# Altium PCB PCB_v1.PcbDoc (part 3 of 8) (continued)
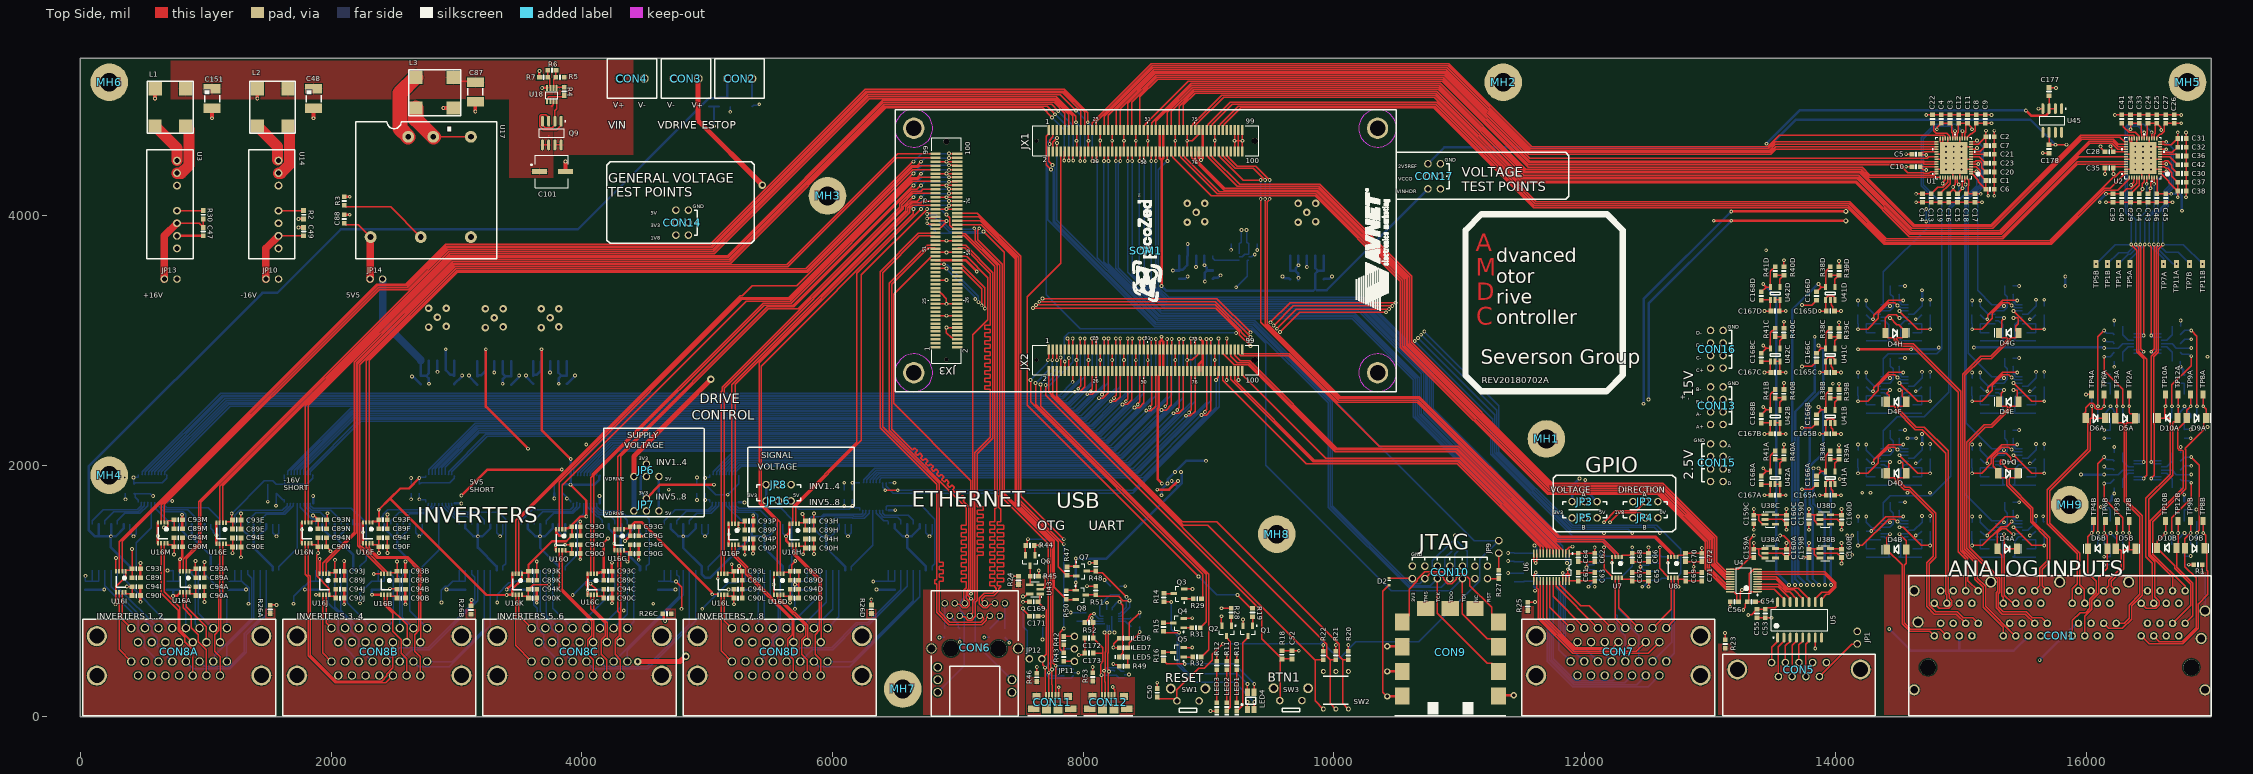
[diagram p0: Top Side view]
## Nets (pads, with @x,y where several pads share a name; then routed paths per layer and width w, separated by ;. In a path a pad name is that pad's centre, name@x,y a point inside that pad or via, vN(x,y) a via of type N, cw(c..) or ccw(c..) an arc to the next point about the centre after c; other vN are vias at no path point) (continued)
ADC1_IN1: U1.17 U3H.6 U3H.7 | length 2138.3
  Top Side w10: U1.17@15013.9,4612.04 v1(15013.9,4670)
  Bottom Side w10: U3H.6@14363.92,3261.18 14364.26,3261.53 14423.16,3261.53 v1(14436.63,3275) 14430.1,3281.53 14424.86,3286.77 U3H.7@14363.92,3286.77 ; U3H.7@14363.92,3287.12 14383.46,3287.12 14384.37,3288.03 14384.37,3546.7 14750,3912.33 14750,4171.01 14685,4236.01 14685,4616.57 14793.43,4725 14958.9,4725 v1(15013.9,4670)
ADC1_IN2: U1.20 U3F.6 U3F.7 | length 2927.1
  Top Side w10: U1.20@14954.84,4612.04 14954.92,4612.11 14954.92,4669.92 v1(14955,4670)
  Bottom Side w10: U3F.6@14363.92,2686.18 14364.26,2686.53 14423.16,2686.53 v1(14436.63,2700) 14430.1,2706.53 14424.86,2711.77 U3F.7@14363.92,2711.77 ; U3F.7@14363.92,2712.12 14383.46,2712.12 14384.37,2713.03 14384.37,2856.21 14423.58,2895.43 14810.94,2895.43 14850.16,2934.64 14850.16,4092.06 14700,4242.22 14700,4610.36 14799.64,4710 14915,4710 v1(14955,4670)
ADC1_IN3: U1.5 U3C.6 U3C.7 | length 2643.9
  Top Side w10: U1.5@15081,4407.32 v1(15140,4407.32)
  Bottom Side w10: v1(15140,4407.32) 15140,4401.91 15151.43,4390.48 15151.43,4239.21 15046,4133.78 15046,2338.46 15247.34,2137.12 U3C.7@15273.92,2137.12 ; U3C.6@15273.92,2111.18 15274.26,2111.53 15333.16,2111.53 v1(15346.63,2125) 15340.1,2131.53 15334.51,2137.12 15274.26,2137.12 U3C.7@15273.92,2136.77
ADC1_IN4: U1.2 U3A.6 U3A.7 | length 3143.6
  Top Side w10: U1.2@15081,4348.27 v1(15126.43,4348.27)
  Bottom Side w10: v1(15126.43,4348.27) 15126.43,4235.43 15031,4140 15031,1778.46 15247.34,1562.12 U3A.7@15273.92,1562.12 ; U3A.6@15273.92,1536.18 15274.26,1536.53 15333.16,1536.53 v1(15346.63,1550) 15340.1,1556.53 15334.51,1562.12 15274.26,1562.12 U3A.7@15273.92,1561.77
ADC1_IN5: U1.51 U3B.6 U3B.7 | length 3380.8
  Top Side w10: U1.51@15033.58,4301.04 15033.58,4256.83 15040,4250.41 v1(15040,4245)
  Bottom Side w10: U3B.6@14363.92,1536.18 14364.26,1536.53 14423.16,1536.53 v1(14436.63,1550) 14430.1,1556.53 14424.86,1561.77 U3B.7@14363.92,1561.77 ; U3B.7@14363.92,1562.12 14383.46,1562.12 14384.37,1563.03 14384.37,1706.21 14438.16,1760 14765.36,1760 14921,1915.64 14921,4055.45 15040,4174.45 v1(15040,4245)
ADC1_IN6: U1.48 U3D.6 U3D.7 | length 2719.8
  Top Side w10: U1.48@14974.53,4301.04 14974.53,4260.88 14985,4250.41 v1(14985,4245)
  Bottom Side w10: U3D.6@14363.92,2111.18 14364.26,2111.53 14423.16,2111.53 v1(14436.63,2125) 14430.1,2131.53 14424.86,2136.77 U3D.7@14363.92,2136.77 ; U3D.7@14363.92,2137.12 14383.46,2137.12 14384.37,2138.03 14384.37,2281.21 14494.46,2391.3 14711.01,2391.3 14906,2586.29 14906,4061.66 14985,4140.66 v1(14985,4245)
ADC1_IN7: U1.14 U3G.6 U3G.7 | length 1631.2
  Top Side w10: U1.14@15081,4584.49 15114.08,4584.49 15124.59,4595 v1(15130,4595)
  Bottom Side w10: v1(15130,4595) 15181.43,4543.57 15181.43,4226.79 15135,4180.36 15135,3399.46 15247.34,3287.12 U3G.7@15273.92,3287.12 ; U3G.6@15273.92,3261.18 15274.26,3261.53 15333.16,3261.53 v1(15346.63,3275) 15340.1,3281.53 15334.51,3287.12 15274.26,3287.12 U3G.7@15273.92,3286.77
ADC1_IN8: U1.11 U3E.6 U3E.7 | length 2194.7
  Top Side w10: U1.11@15081,4525.43 15115.02,4525.43 15124.59,4535 v1(15130,4535)
  Bottom Side w10: v1(15130,4535) 15166.43,4498.57 15166.43,4233 15061,4127.57 15061,2898.46 15247.34,2712.12 U3E.7@15273.92,2712.12 ; U3E.6@15273.92,2686.18 15274.26,2686.53 15333.16,2686.53 v1(15346.63,2700) 15340.1,2706.53 15334.51,2712.12 15274.26,2712.12 U3E.7@15273.92,2711.77
ADC1_SCK: SOM1.JX1-53 U1.41 | length 6791.2
  Top Side w10: SOM1.JX1-53@8545.55,4680 8545.55,4737.52 8860.03,5052 10846.96,5052 11531.71,4367.25 14207.33,4367.25 14270.58,4304 14835.73,4304 14836.73,4303 U1.41@14836.73,4301.04
ADC1_SDO1: SOM1.JX1-25 U1.27 | length 7251.2
  Top Side w10: SOM1.JX1-25@8104.61,4680 8104.61,4746.14 8549.47,5191 10910.19,5191 11571.19,4530 13466.57,4530 13521.06,4584.49 U1.27@14809,4584.49
ADC1_SDO2: SOM1.JX1-29 U1.28 | length 7204.5
  Top Side w10: SOM1.JX1-29@8167.6,4680 8167.6,4787.92 8555.68,5176 10903.98,5176 11564.98,4515 13472.78,4515 13522.58,4564.8 U1.28@14809,4564.8
ADC1_SDO3: SOM1.JX1-31 U1.29 | length 7170.9
  Top Side w10: SOM1.JX1-31@8199.09,4680 8199.09,4798.2 8561.89,5161 10897.76,5161 11558.76,4500 13478.99,4500 13524.11,4545.12 U1.29@14809,4545.12
ADC1_SDO4: SOM1.JX1-35 U1.30 | length 7124.2
  Top Side w10: SOM1.JX1-35@8262.09,4680 8262.09,4839.98 8568.1,5146 10891.55,5146 11552.55,4485 13485.21,4485 13525.64,4525.43 U1.30@14809,4525.43
ADC1_SDO5: SOM1.JX1-41 U1.35 | length 7042.6
  Top Side w10: SOM1.JX1-41@8356.57,4680 8356.57,4892.04 8580.53,5116 10879.12,5116 11563.88,4431.25 14706.51,4431.25 14710.75,4427.01 U1.35@14809,4427.01
ADC1_SDO6: SOM1.JX1-43 U1.36 | length 7012.9
  Top Side w10: SOM1.JX1-43@8388.07,4680 8388.07,4902.33 8586.74,5101 10872.91,5101 11557.66,4416.25 14700.3,4416.25 14709.22,4407.32 U1.36@14809,4407.32
ADC1_SDO7: SOM1.JX1-47 U1.39 | length 6997.4
  Top Side w10: SOM1.JX1-47@8451.06,4680 8451.06,4944.11 8592.96,5086 10866.7,5086 11551.45,4401.25 14514.93,4401.25 14578.18,4338 14704.17,4338 14707.17,4335 14746.45,4335 14759.72,4348.27 U1.39@14809,4348.27
ADC1_SDO8: SOM1.JX1-49 U1.40 | length 6818.8
  Top Side w10: SOM1.JX1-49@8482.56,4680 8482.56,4710 8494.06,4721.5 8494.06,4724.14 8836.91,5067 10864.48,5067 11549.24,4382.25 14213.55,4382.25 14275.79,4320 14790.42,4320 14799,4328.58 U1.40@14809,4328.58
ADC2_CLKOUT: SOM1.JX1-73 U2.33 | length 8309
  Top Side w10: SOM1.JX1-73@8860.51,4680 8860.51,4710 8872.01,4721.5 8872.01,4724.14 9104.87,4957 10809.02,4957 11493.77,4272.25 14167.98,4272.25 14593.62,3846.61 15323.62,3846.61 15943.39,4466.38 U2.33@16319,4466.38
ADC2_CNV: SOM1.JX1-55 U2.24 | length 8773
  Top Side w10: SOM1.JX1-55@8577.05,4680 8577.05,4747.8 8866.24,5037 10840.74,5037 11525.5,4352.25 14201.12,4352.25 14628.37,3925 15243.18,3925 15956.22,4638.04 16376.56,4638.04 16385.1,4629.49 16385.1,4613.04 U2.24@16386.1,4612.04
ADC2_IN1: TP1B.1 U2.20 U46B.1 U46B.2 | length 3540
  Top Side w10: v1(16397,3765) 16420,3742 16420,2914.64 16485,2849.64 16485,1925 v1(16460,1900) ; U2.20@16464.84,4612.04 16464.92,4612.11 16464.92,4660.43 v1(16465,4660.51)
  Bottom Side w10: v1(16170,3610.77) 16260.92,3701.69 16333.69,3701.69 v1(16397,3765) 16397,3962.64 16330,4029.64 16330,4695.36 16344.64,4710 16415.51,4710 v1(16465,4660.51) ; U46B.1@16380.75,1888.74 16447.01,1888.74 16452.6,1894.33 16454.33,1894.33 v1(16460,1900) 16445.67,1914.33 U46B.2@16380.75,1914.33
ADC2_IN2: TP5A.1 U2.51 U46A.6 U46A.7 | length 1668.3
  Top Side w10: v1(16460,3040) 16460,3750.59 16469,3759.59 v1(16469,3765) ; v1(16543.58,4250) U2.51@16543.58,4301.04
  Bottom Side w10: v1(16350,3610.77) 16350.18,3610.95 16350.18,3646.18 v1(16469,3765) 16469,3970.09 16543.58,4044.67 v1(16543.58,4250) ; U46A.6@16380.75,3026.69 16446.69,3026.69 v1(16460,3040) 16447.72,3052.28 U46A.7@16380.75,3052.28
ADC2_IN3: TP7A.1 U2.2 U46A.8 U46A.9 | length 1789.9
  Top Side w10: v1(16505,3765) 16505,3759.59 16520,3744.59 v1(16520,3040) ; U2.2@16591,4348.27 v1(16640,4348.27)
  Bottom Side w10: U46A.9@16599.25,3026.69 16533.31,3026.69 v1(16520,3040) 16532.28,3052.28 U46A.8@16599.25,3052.28 ; v1(16618.94,3610.77) 16618.94,3651.06 v1(16505,3765) 16505,3984.87 16572.5,4052.37 16572.5,4280.77 v1(16640,4348.27)
ADC2_IN4: TP11A.1 U2.5 U46A.13 U46A.14 | length 2034.7
  Top Side w10: v1(16520,2910) 16545,2935 16545,3755.59 16541,3759.59 v1(16541,3765) ; U2.5@16591,4407.32 v1(16640,4407.32)
  Bottom Side w10: U46A.14@16599.25,2898.74 16532.99,2898.74 16527.4,2904.33 16525.67,2904.33 v1(16520,2910) 16534.33,2924.33 U46A.13@16599.25,2924.33 ; v1(16640,4407.32) 16665,4382.32 16665,4232.78 16625,4192.78 16625,4083.66 16541,3999.66 v1(16541,3765) 16692.62,3613.38 16720.02,3613.38 v1(16722.62,3610.77)
ADC2_IN5: TP5B.1 U2.17 U46B.6 U46B.7 | length 3539.4
  Top Side w10: v1(16361,3765) 16405,3721 16405,2908.43 16460,2853.43 v1(16460,2030) ; U2.17@16523.9,4612.04 v1(16523.9,4660.51)
  Bottom Side w10: v1(16080,3610.77) 16234.23,3765 v1(16361,3765) 16361,3977.43 16315,4023.43 16315,4701.57 16338.43,4725 16459.41,4725 v1(16523.9,4660.51) ; U46B.6@16380.75,2016.69 16446.69,2016.69 v1(16460,2030) 16447.72,2042.28 U46B.7@16380.75,2042.28
ADC2_IN6: TP1A.1 U2.48 U46A.1 U46A.2 | length 1829.6
  Top Side w10: v1(16433,3765) 16435,3763 16435,2935 v1(16460,2910) ; v1(16484.53,4250) U2.48@16484.53,4301.04
  Bottom Side w10: v1(16260,3610.77) 16335.92,3686.69 16354.69,3686.69 v1(16433,3765) 16433,3981.74 16484.53,4033.26 v1(16484.53,4250) ; U46A.1@16380.75,2898.74 16447.01,2898.74 16452.6,2904.33 16454.33,2904.33 v1(16460,2910) 16445.67,2924.33 U46A.2@16380.75,2924.33
ADC2_IN7: TP7B.1 U2.11 U46B.8 U46B.9 | length 3109.6
  Top Side w10: v1(16520,2030) 16520,2874.64 16560,2914.64 16560,3742.59 16577,3759.59 v1(16577,3765) ; U2.11@16591,4525.43 v1(16640,4525.43)
  Bottom Side w10: U46B.9@16599.25,2016.69 16533.31,2016.69 v1(16520,2030) 16532.28,2042.28 U46B.8@16599.25,2042.28 ; v1(16640,4525.43) 16680,4485.43 16680,4226.57 16640,4186.57 16640,4077.45 16577,4014.45 v1(16577,3765) 16639.86,3702.14 16734.95,3702.14 v1(16826.31,3610.77)
ADC2_IN8: TP11B.1 U2.14 U46B.13 U46B.14 | length 3384.2
  Top Side w10: v1(16520,1900) 16545,1925 16545,2330.53 16539.29,2336.24 16539.29,2869.89 16575,2905.6 16575,3727 v1(16613,3765) ; U2.14@16591,4584.49 16591.26,4584.74 16639.74,4584.74 v1(16640,4585)
  Bottom Side w10: U46B.14@16599.25,1888.74 16532.99,1888.74 16527.4,1894.33 16525.67,1894.33 v1(16520,1900) 16534.33,1914.33 U46B.13@16599.25,1914.33 ; v1(16640,4585) 16695,4530 16695,4220.36 16655,4180.36 16655,4071.23 16613,4029.23 v1(16613,3765) 16775.77,3765 v1(16930,3610.77)
ADC2_SCK: SOM1.JX1-89 U2.41 | length 8003.8
  Top Side w10: SOM1.JX1-89@9112.48,4680 9112.48,4710 9123.98,4721.5 9123.98,4724.14 9254.72,4854.89 10798,4854.89 11592.88,4060 14097.43,4060 14390.82,3766.61 15721.25,3766.61 16153.35,4198.7 16254.4,4198.7 16346.73,4291.04 U2.41@16346.73,4301.04
ADC2_SDO1: SOM1.JX1-61 U2.27 | length 8643.4
  Top Side w10: SOM1.JX1-61@8671.54,4680 8671.54,4821.08 8872.46,5022 10834.53,5022 11519.28,4337.25 14194.91,4337.25 14622.15,3910 15249.39,3910 15962.04,4622.64 16270.85,4622.64 16309,4584.49 U2.27@16319,4584.49
ADC2_SDO2: SOM1.JX1-63 U2.28 | length 8606.5
  Top Side w10: SOM1.JX1-63@8703.03,4680 8703.03,4827.12 8879.91,5004 10831.32,5004 11516.07,4319.25 14187.45,4319.25 14611.7,3895 15255.61,3895 15965.61,4605 16217.78,4605 16257.98,4564.8 U2.28@16319,4564.8
ADC2_SDO3: SOM1.JX1-67 U2.29 | length 8566.5
  Top Side w10: SOM1.JX1-67@8766.02,4680 8766.02,4868.9 8886.12,4989 10819.45,4989 11504.2,4304.25 14181.24,4304.25 14608.88,3876.61 15311.19,3876.61 16024.58,4590 16211.57,4590 16256.45,4545.12 U2.29@16319,4545.12
ADC2_SDO4: SOM1.JX1-69 U2.30 | length 8536.7
  Top Side w10: SOM1.JX1-69@8797.52,4680 8797.52,4879.18 8892.34,4974 10813.23,4974 11497.99,4289.25 14175.02,4289.25 14602.66,3861.61 15317.4,3861.61 16030.79,4575 16205.36,4575 16254.92,4525.43 U2.30@16319,4525.43
ADC2_SDO5: SOM1.JX1-75 U2.35 | length 8263.7
  Top Side w10: SOM1.JX1-75@8892.01,4680 8892.01,4710 8903.5,4721.5 8903.5,4724.14 9121.36,4942 10798.56,4942 11483.32,4257.25 14161.77,4257.25 14590.41,3828.61 15331.07,3828.61 15929.47,4427.01 U2.35@16319,4427.01
ADC2_SDO6: SOM1.JX1-81 U2.36 | length 8138.6
  Top Side w10: SOM1.JX1-81@8986.5,4680 8986.5,4710 8997.99,4721.5 8997.99,4724.14 9173.74,4899.89 10819.47,4899.89 11614.35,4105 14116.07,4105 14407.46,3813.61 15337.29,3813.61 15931,4407.32 U2.36@16319,4407.32
ADC2_SDO7: SOM1.JX1-83 U2.39 | length 8084.3
  Top Side w10: SOM1.JX1-83@9017.99,4680 9017.99,4710 9029.49,4721.5 9029.49,4724.14 9190.23,4884.89 10810.42,4884.89 11605.31,4090 14109.85,4090 14403.24,3796.61 15708.83,3796.61 16216.49,4304.27 16228.82,4304.27 16272.82,4348.27 U2.39@16319,4348.27
ADC2_SDO8: SOM1.JX1-87 U2.40 | length 8013.1
  Top Side w10: SOM1.JX1-87@9080.98,4680 9080.98,4710 9092.48,4721.5 9092.48,4724.14 9238.22,4869.89 10804.21,4869.89 11599.1,4075 14103.64,4075 14397.03,3781.61 15715.04,3781.61 16147.13,4213.7 16194.12,4213.7 16309,4328.58 U2.40@16319,4328.58
ALARMA: U4.2 U5.15 | length 269.7
  Top Side w10: U4.2@13379.25,1016.34 13514.2,1016.34 13590,940.54 U5.15@13590,912.98
ALARMB: U4.4 U5.13 | length 386
  Top Side w10: U4.4@13379.25,1055.71 13546.51,1055.71 13607.22,995 13635.54,995 13690,940.54 U5.13@13690,912.98
ALARMD: U4.9 U5.9 | length 874
  Top Side w10: U4.9@13379.25,1154.13 13917.43,1154.13 14005,1066.57 14005,1033.43 13947.96,976.4 13929.54,976.4 13890,936.86 U5.9@13890,912.98
ALARMZ: U4.7 U5.11 | length 510.5
  Top Side w10: U4.7@13379.25,1114.76 13529.88,1114.76 13619.64,1025 13705.54,1025 13790,940.54 U5.11@13790,912.98
ANLG_N1: CON1.2A D4H.1 U3H.12 | length 2730.9
  Top Side w10: v1(14511.63,3180) 14486.63,3205 14426.28,3205 14399.56,3178.29 D4H.1@14399.56,3060 14399.56,3043.66 14419.56,3023.66 14462.56,3023.66 14468.42,3017.8 14468.42,3002.06 14515.48,2955 14615.36,2955 14982.63,2587.72 14982.63,1313.89 15040.16,1256.36 CON1.2A@15040.16,1002.84
  Bottom Side w10: v1(14511.63,3180) 14517.04,3180 14521.8,3184.76 14582.07,3184.76 U3H.12@14582.42,3184.41
ANLG_N2: CON1.8A D4F.1 U3F.12 | length 2261.3
  Top Side w10: v1(14511.63,2605) 14529.01,2605 14535.36,2598.66 14535.36,2552.68 14541.7,2546.34 14545.71,2546.34 14565.71,2526.34 D4F.1@14565.71,2510 14565.71,2493.66 14545.71,2473.66 14503.71,2473.66 14497.85,2467.8 14497.85,2459.52 14647.46,2309.92 14710.08,2309.92 14900.16,2119.84 14900.16,986.27 14908.16,978.27 14908.16,946.84 14930.16,924.84 14930.16,886.27 14906.73,862.84 14830.16,862.84 CON1.8A@14790.16,902.84
  Bottom Side w10: v1(14511.63,2605) 14517.04,2605 14521.8,2609.76 14582.07,2609.76 U3F.12@14582.42,2609.41
ANLG_N3: CON1.2B D4C.1 U3C.12 | length 1594.1
  Top Side w10: v1(15421.63,2030) 15417.81,2033.83 15408.01,2033.83 15399.13,2042.71 15399.13,2063.08 15362.21,2100 15300.52,2100 15260.97,2060.45 15260.97,1995.41 15279.29,1977.09 15279.29,1960 D4C.1@15299.29,1940 15299.29,1923.66 15319.29,1903.66 15362.29,1903.66 15368.15,1897.8 15368.15,1843.84 15558.63,1653.36 15558.63,1552.17 15691.63,1419.17 15691.63,1243.43 15631.16,1182.95 15631.16,1043.84 CON1.2B@15590.16,1002.84
  Bottom Side w10: v1(15421.63,2030) 15427.04,2030 15431.8,2034.76 15492.07,2034.76 U3C.12@15492.42,2034.41
ANLG_N4: CON1.8B D4A.1 U3A.12 | length 826.2
  Top Side w10: CON1.8B@15347.15,909.84 CON1.8B@15340.16,902.84 15340.16,950.35 15327.45,963.06 15327.45,1286.02 15294.71,1318.75 15294.71,1338.85 D4A.1@15294.56,1339 15293.05,1340.51 15293.05,1465.06 15327.99,1500 15365.27,1500 15406.44,1458.83 15417.81,1458.83 v1(15421.63,1455)
  Bottom Side w10: v1(15421.63,1455) 15427.04,1455 15431.8,1459.76 15492.07,1459.76 U3A.12@15492.42,1459.41
ANLG_N5: CON1.2E D4B.1 U3B.12 | length 1193.8
  Top Side w10: v1(14511.63,1455) 14565.71,1400.92 D4B.1@14565.71,1332.35 14565.71,1222.44 14549.27,1206 14549.27,747.4 14599.12,697.55 14835.61,697.55 CON1.2E@14890.16,643
  Bottom Side w10: v1(14511.63,1455) 14517.04,1455 14521.8,1459.76 14582.07,1459.76 U3B.12@14582.42,1459.41
ANLG_N6: CON1.8E D4D.1 U3D.12 | length 1920.1
  Top Side w10: v1(14511.63,2030) 14528.26,2030 14536.19,2022.07 14536.19,1984.27 14544.12,1976.34 14545.71,1976.34 14565.71,1956.34 D4D.1@14565.71,1940 14565.71,1923.66 14545.71,1903.66 14503.71,1903.66 14497.85,1897.8 14497.85,1889.52 14557.37,1830 14593.64,1830 14801.63,1622.01 14801.63,1269.88 14750.16,1218.4 14750.16,886.27 14800.76,835.67 14972.94,835.67 15020.36,788.26 15070.26,788.26 15094.9,788.26 15130.66,752.5 CON1.8E@15140.16,743
  Bottom Side w10: v1(14511.63,2030) 14517.04,2030 14521.8,2034.76 14582.07,2034.76 U3D.12@14582.42,2034.41
ANLG_N7: CON1.2F D4G.1 U3G.12 | length 3095
  Top Side w10: v1(15421.63,3180) 15455.42,3180 15460.71,3174.71 15460.71,3132.75 15439.89,3111.93 15439.89,3102.2 15440.71,3101.38 15440.71,3080 D4G.1@15460.71,3060 15460.71,3043.66 15440.71,3023.66 15397.71,3023.66 15391.85,3017.8 15391.85,3002.06 15245.64,2855.85 15167.12,2855.85 15033.63,2722.36 15033.63,1335.01 15132.16,1236.49 15132.16,1104.14 15198.16,1038.14 15198.16,878.43 CON1.2F@15436.87,639.72 ; CON1.2F@15430.59,652.57 CON1.2F@15440.16,643
  Bottom Side w10: v1(15421.63,3180) 15427.04,3180 15431.8,3184.76 15492.07,3184.76 U3G.12@15492.42,3184.41
ANLG_N8: CON1.8F D4E.1 U3E.12 | length 2624.6
  Top Side w10: v1(15421.63,2605) 15450.71,2605 15450.71,2520 D4E.1@15460.71,2510 15460.71,2493.66 15440.71,2473.66 15397.71,2473.66 15391.85,2467.8 15391.85,2452.06 15249.64,2309.85 15196.12,2309.85 15066.63,2180.36 15066.63,1348.68 15312.45,1102.87 15312.45,991.72 15300.16,979.42 15300.16,875.13 15339.24,836.05 15522.56,836.05 15570.61,788 15648.63,788 15684.71,751.93 CON1.8F@15684.71,748.45 ; CON1.8F@15681.66,751.5 CON1.8F@15684.71,748.45 ; CON1.8F@15684.71,737.55 CON1.8F@15684.71,748.45 ; CON1.8F@15690.16,743 CON1.8F@15684.71,748.45
  Bottom Side w10: v1(15421.63,2605) 15427.04,2605 15431.8,2609.76 15492.07,2609.76 U3E.12@15492.42,2609.41
ANLG_N9: CON1.2C D5B.1 TP3B.1 U47B.12 | length 738.1
  Top Side w10: CON1.2C@16140.16,1002.84 16180.16,1042.84 16180.16,1086.09 16279.78,1185.71 16279.78,1324.14 16273.92,1330 16254,1330 16245,1339 v1(16245,1465) 16245,1555 TP3B.1@16250,1560
  Bottom Side w10: v1(16245,1465) U47B.12@16245,1560
ANLG_N10: CON1.8C D6A.1 TP6A.1 U47A.10 | length 2221.8
  Top Side w10: CON1.8C@15890.16,902.84 15890.16,1019 15931.16,1060 15931.16,1297.01 15692,1536.17 15692,1808.34 16015.58,2131.92 16015.58,2364.72 15986.76,2393.54 15986.76,2418.05 15998.58,2429.88 15998.58,2463.94 16034.64,2500 16055.36,2500 16070,2485.36 16070,2465.16 16084.64,2450.51 16120.51,2450.51 v1(16145,2475) TP6A.1@16145,2570
  Bottom Side w10: v1(16145,2475) U47A.10@16145,2570
ANLG_N11: CON1.2D D9A.1 TP9A.1 U48A.12 | length 1919.7
  Top Side w10: CON1.2D@16690.16,1002.84 16690.16,1112.17 16513.54,1288.8 16513.54,1563.71 16774.73,1824.91 16774.73,2119.14 16768.87,2125 16744.64,2125 16730,2139.64 16730,2291.09 16804.29,2365.38 D9A.1@16804.29,2381.72 16804.29,2444.29 v1(16835,2475) TP9A.1@16835,2570
  Bottom Side w10: v1(16835,2475) U48A.12@16835,2570
ANLG_N12: CON1.8D D10A.1 TP12A.1 U48A.10 | length 2088.1
  Top Side w10: CON1.8D@16440.16,902.84 16480.16,862.84 16556.73,862.84 16583.88,890 16583.88,921.12 16548,957 16548,978.66 16548.16,978.82 16548.16,1232.96 16498.54,1282.58 16498.54,1732.99 16690.28,1924.74 16690.28,2345.09 16696.14,2350.95 16710,2350.95 16730,2370.95 D10A.1@16730,2381.72 16735,2386.72 TP12A.1@16735,2570
  Bottom Side w10: v1(16735,2475) U48A.10@16735,2570
ANLG_N13: CON1.2G D6B.1 TP6B.1 U47B.10 | length 1101.6
  Top Side w10: CON1.2G@15990.16,643 15990.16,800.16 16047.16,857.16 16047.16,929.23 16100,982.07 16100,1030 16100,1112.25 16170.71,1182.95 D6B.1@16170.71,1339 16170.71,1439.29 v1(16145,1465) 16145,1550 TP6B.1@16155,1560
  Bottom Side w10: v1(16145,1465) U47B.10@16145,1560
ANLG_N14: CON1.8G D5A.1 TP3A.1 U47A.12 | length 2147.8
  Top Side w10: CON1.8G@16240.16,743 16303.8,743 16344.99,784.19 16344.99,889.7 16429,973.71 16429,1593.57 16303.15,1719.43 16303.15,2337.8 16297.29,2343.66 16254.29,2343.66 16234.29,2363.66 D5A.1@16234.29,2380 16245,2390.71 TP3A.1@16245,2570
  Bottom Side w10: v1(16245,2475) U47A.12@16245,2570
ANLG_N15: CON1.2H D9B.1 TP9B.1 U48B.12 | length 1405.5
  Top Side w10: CON1.2H@16540.16,643 16586.16,597 16765.82,597 16878.71,709.88 16878.71,1105.58 16789.29,1195 D9B.1@16789.29,1342 16789.29,1419.29 v1(16835,1465) TP9B.1@16835,1560
  Bottom Side w10: v1(16835,1465) U48B.12@16835,1560
ANLG_N16: CON1.8H D10B.1 TP12B.1 U48B.10 | length 995.8
  Top Side w10: TP12B.1@16735,1560 v1(16735,1465) 16735,1357.32 D10B.1@16722.24,1344.56 16722.24,1191.63 16851,1062.87 16851,881.22 16850,880.22 16850,802.84 CON1.8H@16790.16,743
  Bottom Side w10: v1(16735,1465) U48B.10@16735,1560
ANLG_P1: CON1.1A D4H.2 U3H.3 | length 2692.9
  Top Side w10: v1(14436.63,3180) 14489.67,3126.97 14504.64,3126.97 14555.27,3076.34 D4H.2@14555.27,3060 14555.27,3043.66 14535.27,3023.66 14492.28,3023.66 14486.42,3017.8 14486.42,3009.52 14522.94,2973 14622.81,2973 15000.63,2595.18 15000.63,1321.34 15058.16,1263.82 15058.16,1084.84 CON1.1A@15140.16,1002.84
  Bottom Side w10: U3H.3@14363.92,3184.41 14364.26,3184.76 14426.46,3184.76 14431.22,3180 v1(14436.63,3180)
ANLG_P2: CON1.7A D4F.2 U3F.3 | length 2056.8
  Top Side w10: v1(14436.63,2605) 14410.96,2579.33 14428.28,2562 14428.28,2528.28 D4F.2@14410,2510 14410,2493.66 14430,2473.66 14472,2473.66 14477.85,2467.8 14477.85,2451.24 14639.17,2289.92 14692.07,2289.92 14882.16,2099.83 14882.16,978.82 14890.16,970.82 CON1.7A@14890.16,902.84
  Bottom Side w10: U3F.3@14363.92,2609.41 14364.26,2609.76 14426.46,2609.76 14431.22,2605 v1(14436.63,2605)
ANLG_P3: CON1.1B D4C.2 U3C.3 | length 1520.4
  Top Side w10: v1(15346.63,2030) 15341.22,2030 15322.74,2011.52 15319.86,2011.52 15314.01,2017.37 15314.01,2038.48 15322.49,2046.97 15340.24,2046.97 15346.1,2041.11 15346.1,2000 15369.76,1976.34 15435,1976.34 15445.82,1965.52 15445.82,1914.48 15435,1903.66 15392,1903.66 15386.15,1897.8 15386.15,1851.3 15576.63,1660.81 15576.63,1559.63 15709.63,1426.63 15709.63,1235.97 15649.16,1175.5 15649.16,1043.84 CON1.1B@15690.16,1002.84
  Bottom Side w10: U3C.3@15273.92,2034.41 15274.26,2034.76 15336.46,2034.76 15341.22,2030 v1(15346.63,2030)
ANLG_P4: CON1.7B D4A.2 U3A.3 | length 785.8
  Top Side w10: v1(15346.63,1455) 15346.63,1340 ; CON1.7B@15440.16,902.84 15433.16,909.84 15406.13,909.84 15346.42,969.54 15346.42,1339.79 15346.63,1340 ; D4A.2@15450.27,1339 15449.27,1340 15346.63,1340
  Bottom Side w10: U3A.3@15273.92,1459.41 15274.26,1459.76 15336.46,1459.76 15341.22,1455 v1(15346.63,1455)
ANLG_P5: CON1.1E D4B.2 U3B.3 | length 1148.5
  Top Side w10: v1(14436.63,1455) 14410,1428.37 D4B.2@14410,1332.35 14533.27,1209.08 14533.27,740.78 14592.5,681.55 14751.61,681.55 CON1.1E@14790.16,643
  Bottom Side w10: U3B.3@14363.92,1459.41 14364.26,1459.76 14426.46,1459.76 14431.22,1455 v1(14436.63,1455)
ANLG_P6: CON1.7E D4D.2 U3D.3 | length 1838.3
  Top Side w10: v1(14436.63,2030) 14425.07,2018.44 14425.07,1955.07 D4D.2@14410,1940 14410,1923.66 14430,1903.66 14472,1903.66 14477.85,1897.8 14477.85,1881.24 14549.09,1810 14585.36,1810 14781.63,1613.72 14781.63,1278.16 14730.16,1226.69 14730.16,877.99 14790.48,817.67 14965.49,817.67 CON1.7E@15040.16,743 CON1.7E@15049.66,752.5
  Bottom Side w10: U3D.3@14363.92,2034.41 14364.26,2034.76 14426.46,2034.76 14431.22,2030 v1(14436.63,2030)
ANLG_P7: CON1.1F D4G.2 U3G.3 | length 3025.1
  Top Side w10: v1(15346.63,3180) 15325.82,3159.18 15325.82,3102.2 15325,3101.38 15325,3080 D4G.2@15305,3060 15305,3043.66 15325,3023.66 15368,3023.66 15373.85,3017.8 15373.85,3009.52 15238.18,2873.85 15159.67,2873.85 15015.63,2729.81 15015.63,1327.56 15114.16,1229.03 15114.16,1096.69 15180.16,1030.69 15180.16,870.98 15340.16,710.98 CON1.1F@15340.16,643 CON1.1F@15349.72,652.57
  Bottom Side w10: U3G.3@15273.92,3184.41 15274.26,3184.76 15336.46,3184.76 15341.22,3180 v1(15346.63,3180)
ANLG_P8: CON1.7F D4E.2 U3E.3 | length 2540.7
  Top Side w10: v1(15346.63,2605) 15321.98,2580.35 15321.98,2526.98 D4E.2@15305,2510 15305,2493.66 15325,2473.66 15368,2473.66 15373.85,2467.8 15373.85,2459.52 15242.18,2327.85 15188.67,2327.85 15048.63,2187.81 15048.63,1341.23 15294.45,1095.41 15294.45,999.17 15282.16,986.88 15282.16,867.68 15331.79,818.05 15515.11,818.05 CON1.7F@15590.16,743 ; CON1.7F@15598.66,751.5 CON1.7F@15590.16,743 ; CON1.7F@15599.34,733.82 CON1.7F@15590.16,743
  Bottom Side w10: U3E.3@15273.92,2609.41 15274.26,2609.76 15336.46,2609.76 15341.22,2605 v1(15346.63,2605)
ANLG_P9: CON1.1C D5B.2 TP2B.1 U47B.14 | length 807.6
  Top Side w10: CON1.1C@16240.16,1002.84 16234.94,1002.84 16200.16,1037.62 16200.16,1077.8 16299.78,1177.43 16299.78,1324.14 16305.64,1330 16345,1330 ; TP2B.1@16345,1560 16345,1330 ; D5B.2@16394,1339 16385,1330 16345,1330
  Bottom Side w10: v1(16345,1465) U47B.14@16345,1560
ANLG_P10: CON1.7C D6A.2 TP4A.1 U47A.8 | length 2125.7
  Top Side w10: CON1.7C@15990.16,902.84 15985,908 15985,1014.57 15949.16,1050.41 15949.16,1304.47 15710,1543.62 15710,1800.88 16033.58,2124.46 16033.58,2375.17 16039.44,2381.02 16048,2381.02 ; v1@16000.33,2570 TP4A.1@16045,2570 ; v1(16045,2475) 16048,2472 16048,2381.02 ; D6A.2@16154.29,2381.72 16153.6,2381.02 16048,2381.02
  Bottom Side w10: v1(16000,2570) U47A.8@16045,2570 v1(16045,2475)
ANLG_P11: CON1.1D D9A.2 TP8A.1 U48A.14 | length 1960.7
  Top Side w10: CON1.1D@16790.16,1002.84 16790.16,1037.63 16531.54,1296.25 16531.54,1390.04 16533.54,1392.04 16533.54,1555.43 16794.73,1816.62 16794.73,2127.43 16790.4,2131.76 16790.4,2140.04 16940,2289.64 16940,2361.72 D9A.2@16960,2381.72 16960,2450 v1(16935,2475) TP8A.1@16935,2570
  Bottom Side w10: v1(16935,2475) U48A.14@16935,2570
ANLG_P12: CON1.7D D10A.2 TP10A.1 U48A.8 | length 1962.6
  Top Side w10: CON1.7D@16540.16,902.84 16530,913 16530,986.12 16530.16,986.27 16530.16,1019.41 16530,1019.57 16530,1222.83 16478.54,1274.3 16478.54,1741.27 16670.28,1933.02 16670.28,2374.14 16664.43,2380 16629.86,2380 ; D10A.2@16574.29,2381.72 16576.01,2380 16629.86,2380 ; TP10A.1@16635,2570 v1(16635,2475) 16629.86,2469.86 16629.86,2380
  Bottom Side w10: v1(16635,2475) U48A.8@16635,2570
ANLG_P13: CON1.1G D6B.2 TP4B.1 U47B.8 | length 1162.7
  Top Side w10: CON1.1G@15890.16,643 15890.16,766.57 15953.58,830 15995.96,830 16030.16,864.2 16030.16,936.27 16082,988.12 16082,1078 16015,1145 D6B.2@16015,1339 16015,1435 v1(16045,1465) 16045,1465.86 16060,1480.86 TP4B.1@16060,1560
  Bottom Side w10: v1(16045,1465) U47B.8@16045,1560
ANLG_P14: CON1.7G D5A.2 TP2A.1 U47A.14 | length 2328.7
  Top Side w10: CON1.7G@16140.16,743 16180.16,703 16289.25,703 16362.99,776.74 16362.99,882.24 16447,966.25 16447,1601.03 16321.15,1726.88 16321.15,2337.8 16327,2343.66 16370,2343.66 16390,2363.66 D5A.2@16390,2380 16390,2396.34 16370,2416.34 16350.86,2416.34 16345,2422.2 v1(16345,2475) TP2A.1@16345,2570
  Bottom Side w10: v1(16345,2475) U47A.14@16345,2570